# Altium PCB Carrier-Board-DAC.PcbDoc (part 1 of 2) (continued)
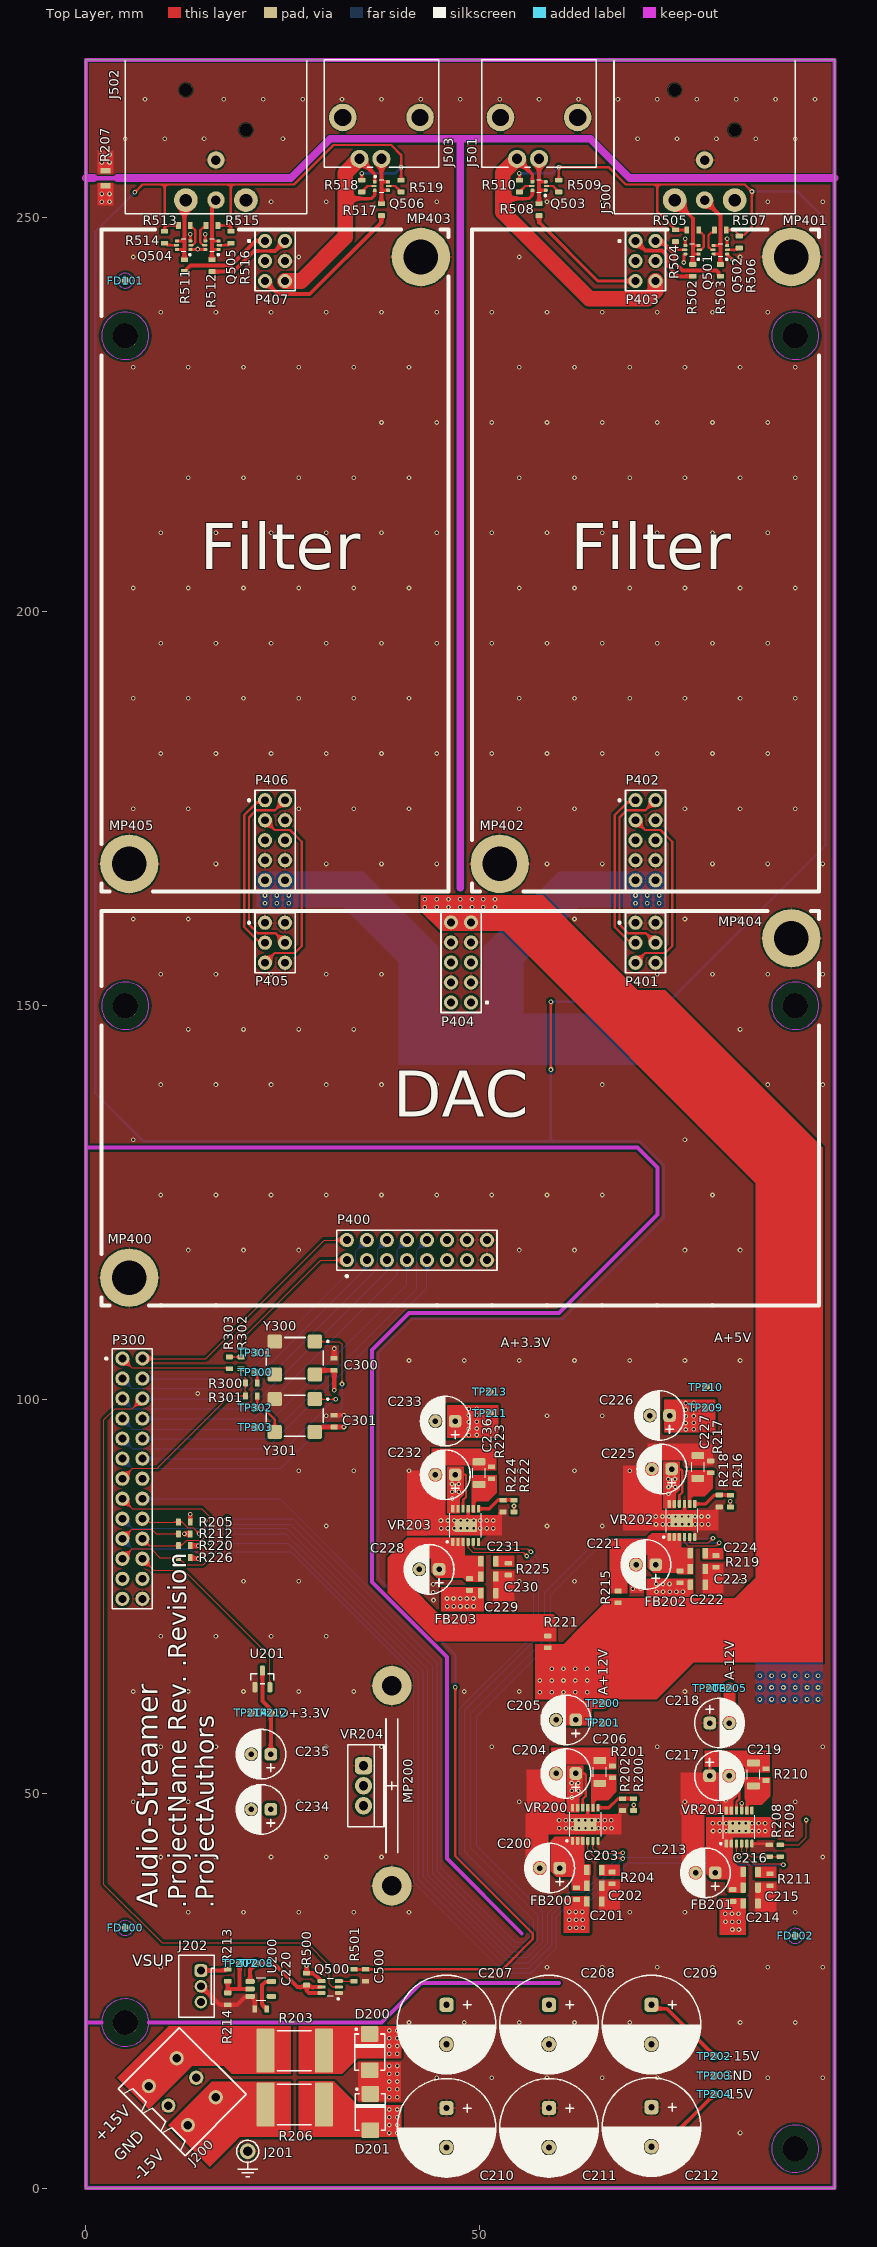
[diagram p0: Top Layer view]
## Classes and differential pairs
component class "Hardware Achitecture": FD100 FD101 FD102
component class Output: C500 J500 J501 J502 J503 Q500 Q501 Q502 Q503 Q504 Q505 Q506 R500 R501 R502 R503 R504 R505 R506 R507 R508 R509 R510 R511 R512 R513 R514 R515 R516 R517 R518 R519
component class Modules: MP400 MP401 MP402 MP403 MP404 MP405 P400 P401 P402 P403 P404 P405 P406 P407
component class DAC_Interface: C300 C301 P300 R300 R301 R302 R303 TP300 TP301 TP302 TP303 Y300 Y301
component class "Power Supply": C200 C201 C202 C203 C204 C205 C206 C207 C208 C209 C210 C211 C212 C213 C214 C215 C216 C217 C218 C219 C220 C221 C222 C223 C224 C225 C226 C227 C228 C229 C230 C231 C232 C233 C234 C235 C236 D200 D201 FB200 FB201 FB202 FB203 J200 J201 J202 MP200 R200 R201 R202 R203 R204 R205 R206 R207 R208 R209 R210 R211 R212 R213 R214 R215 R216 R217 R218 R219 R220 R221 R222 R223 R224 R225 R226 TP200 TP201 TP202 TP203 TP204 TP205 TP206 TP207 TP208 TP209 TP210 TP211 TP212 TP213 TP214 U200 U201 VR200 VR201 VR202 VR203 VR204

## Components (designator, comment, footprint, x,y, rotation, side; value= is the part's Value field where it differs from the comment)
C200 "22µF" CAP-6.3-5.5-2.5 58.85,40.6 r180 top
C201 "DNP" SMD0805CAP 64.518,36.353 r180 top
C202 "DNP" SMD0805CAP 64.518,38.353 r180 top
C203 "DNP" SMD0805CAP 64.518,40.353 r180 top
C204 "22µF" CAP-6.3-5.5-2.5 60.9,52.6 r180 top
C205 "DNP" CAP-6.3-5.5-2.5 60.9,59.4 r180 top
C206 "4.7µF" SMD1206CAP 65.2,52.8 r90 top
C207 "470µF" CAP-12.5-20-5 45.75,20.75 r270 top
C208 "470µF" CAP-12.5-20-5 58.75,20.75 r270 top
C209 "DNP" CAP-12.5-20-5 71.75,20.75 r270 top
C210 "470µF" CAP-12.5-20-5 45.75,7.65 r270 top
C211 "470µF" CAP-12.5-20-5 58.75,7.65 r270 top
C212 "DNP" CAP-12.5-20-5 71.75,7.75 r270 top
C213 "22µF" CAP-6.3-5.5-2.5 78.6,40 r180 top
C214 "DNP" SMD0805CAP 84.325,36.116 r180 top
C215 "DNP" SMD0805CAP 84.325,38.116 r180 top
C216 "DNP" SMD0805CAP 84.325,40.116 r180 top
C217 "22µF" CAP-6.3-5.5-2.5 80.375,52.316 r0 top
C218 "DNP" CAP-6.3-5.5-2.5 80.4,59 r0 top
C219 "4.7µF" SMD1206CAP 84.7,52.461 r90 top
C220 "10nF" SMD0603CAP 22.19,22.72 r0 top
C221 "22µF" CAP-6.3-5.5-2.5 71.05,79.1 r180 top
C222 "DNP" SMD0805CAP 77.641,76.55 r180 top
C223 "DNP" SMD0805CAP 77.641,78.55 r180 top
C224 "DNP" SMD0805CAP 77.641,80.55 r180 top
C225 "22µF" CAP-6.3-5.5-2.5 73.064,91.225 r180 top
C226 "DNP" CAP-6.3-5.5-2.5 72.8,98.015 r180 top
C227 "4.7µF" SMD1206CAP 77.65,91.5 r90 top
C228 "22µF" CAP-6.3-5.5-2.5 43.556,78.5 r180 top
C229 "DNP" SMD0805CAP 51.067,75.476 r180 top
C230 "DNP" SMD0805CAP 51.067,77.593 r180 top
C231 "DNP" SMD0805CAP 51.067,79.526 r180 top
C232 "22µF" CAP-6.3-5.5-2.5 45.6,90.5 r180 top
C233 "DNP" CAP-6.3-5.5-2.5 45.6,97.3 r180 top
C234 "22µF" CAP-6.3-5.5-2.5 22.225,48.045 r180 top
C235 "22µF" CAP-6.3-5.5-2.5 22.225,55.045 r180 top
C236 "4.7µF" SMD1206CAP 49.874,90.7 r90 top
C300 "10nF" SMD0603CAP 31.5,104.515 r90 top
C301 "10nF" SMD0603CAP 31.5,97.31 r90 top
C500 "DNP" SMD0603CAP 35.5,27 r270 top
D200 "20V" DO-214AA 36,17.25 r90 top
D201 "20V" DO-214AA 36.09,9.65 r90 top
FB200 "0Ω" SMD0603RES 62.268,37.353 r90 top
FB201 "0Ω" SMD0603RES 82.075,37.116 r90 top
FB202 "0Ω" SMD0603RES 75.391,77.55 r90 top
FB203 "0Ω" SMD0603RES 48.667,76.576 r90 top
FD100 "Fiducial" FIDUCIAL 5,33 r90 top
FD101 "Fiducial" FIDUCIAL 5,242 r90 top
FD102 "Fiducial" FIDUCIAL 90,32 r90 top
J200 "1861946" 1861946 11.525,16.475 r315 top
J201 "Solder Pin" SOLDER_PIN 20.528,4.667 r90 top net-tie
J202 "B3B-PH-K-S" B3B-PH-K-S 14.59,27.6 r90 top
J500 "NC3MBH" NC3MBH 78.5,270 r0 top
J501 "43-028/9" RCA-Plug 57.5,262.7 r0 top
J502 "NC3MBH" NC3MBH 16.5,270 r0 top
J503 "43-028/9" RCA-Plug 37.5,262.7 r0 top
MP200 "FA-T220-25E" FA-T220-25E 38.825,51.045 r270 top
MP400 "9774070360R" 9774070360 5.5,115.5 r0 top
MP401 "9774070360R" 9774070360 89.5,245 r0 top
MP402 "9774070360R" 9774070360 52.5,168 r0 top
MP403 "9774070360R" 9774070360 42.5,245 r0 top
MP404 "9774070360R" 9774070360 89.5,158.57 r0 top
MP405 "9774070360R" 9774070360 5.5,168 r0 top
P300 "TSW-113-6-L-D" HEADER_2X13P_VERTICAL 5.9,90 r90 top
P400 "TSW-108-07-L-D" TSW-108-06-X-D 42,119 r180 top
P401 "TSW-103-06-L-D" TSW-103-06-X-D 71,158 r90 top
P402 "TSW-105-06-L-D" TSW-105-06-X-D 71,171 r90 top
P403 "TSW-103-06-L-D" TSW-103-06-X-D 71,244.5 r90 top
P404 "TSW-105-06-L-D" TSW-105-06-X-D 47.6,155.5 r270 top
P405 "TSW-103-06-L-D" TSW-103-06-X-D 24,158 r90 top
P406 "TSW-105-06-L-D" TSW-105-06-X-D 24,171 r90 top
P407 "TSW-103-06-L-D" TSW-103-06-X-D 24,244.5 r90 top
Q500 "SQ1539EH-T1_GE3" SOT-363-6 31,25.5 r90 top
Q501 "PMBT3904VS,115" SOT-666 76.9,245.9 r90 top
Q502 "PMBT3904VS,115" SOT-666 80.5,245.9 r90 top
Q503 "PMBT3904VS,115" SOT-666 57.5,254 r90 top
Q504 "PMBT3904VS,115" SOT-666 12.4,246.5 r90 top
Q505 "PMBT3904VS,115" SOT-666 16,246.5 r90 top
Q506 "PMBT3904VS,115" SOT-666 37.5,254 r270 top
R200 "560kΩ" SMD0603RES 69.5,48.655 r270 top
R201 "121kΩ" SMD0603RES 66.8,52.8 r90 top
R202 "15kΩ" SMD0603RES 68.1,48.655 r90 top
R203 "1A" SMD2920FUSE 26.5,17.434 r0 top
R204 "DNP" SMD0603RES 66.768,39.353 r90 top
R205 "10kΩ" SMD0603RES 12.5,84.5 r0 top
R206 "1A" SMD2920FUSE 26.5,10.6 r0 top
R207 "DNP" SMD0805RES 2.5,255 r90 top
R208 "15kΩ" SMD0603RES 86.7,42.8 r270 top
R209 "560kΩ" SMD0603RES 88.1,42.8 r90 top
R210 "121kΩ" SMD0603RES 86.287,52.461 r90 top
R211 "DNP" SMD0603RES 86.8,39.116 r90 top
R212 "10kΩ" SMD0603RES 12.5,83 r0 top
R213 "1kΩ" SMD0603RES 18,27 r90 top
R214 "1kΩ" SMD0603RES 18,24 r90 top
R215 "DNP" SMD0603RES 67.536,75 r90 top
R216 "150kΩ" SMD0603RES 81.764,87.146 r270 top
R217 "49.9kΩ" SMD0603RES 79.281,91.5 r90 top
R218 "10kΩ" SMD0603RES 80.364,87.172 r90 top
R219 "DNP" SMD0603RES 79.941,79.5 r90 top
R220 "10kΩ" SMD0603RES 12.5,81.5 r0 top
R221 "DNP" SMD0603RES 58.6,69.3 r90 top
R222 "91kΩ" SMD0603RES 54.321,86.531 r270 top
R223 "33.2kΩ" SMD0603RES 51.474,90.75 r90 top
R224 "10kΩ" SMD0603RES 52.92,86.532 r90 top
R225 "DNP" SMD0603RES 53.592,78.526 r90 top
R226 "10kΩ" SMD0603RES 12.5,80 r0 top
R300 "22Ω" SMD0603RES 21,102.16 r180 top
R301 "22Ω" SMD0603RES 21,100.5 r180 top
R302 "DNP" SMD0603RES 19.7,104.7 r90 top
R303 "0Ω" SMD0603RES 18.2,104.7 r270 top
R500 "10kΩ" SMD0603RES 28,26.5 r90 top
R501 "0Ω" SMD0603RES 34,27 r270 top
R502 "47Ω" SMD0603RES 77,243.3 r270 top
R503 "47Ω" SMD0603RES 80.5,243.3 r270 top
R504 "2.2kΩ" SMD0603RES 74.8,247.7 r270 top
R505 "2.2kΩ" SMD0603RES 77,248.4 r0 top
R506 "2.2kΩ" SMD0603RES 82.9,246.9 r270 top
R507 "2.2kΩ" SMD0603RES 80.5,248.4 r180 top
R508 "47Ω" SMD0603RES 57.5,251 r270 top
R509 "2.2kΩ" SMD0603RES 60,254 r270 top
R510 "2.2kΩ" SMD0603RES 55,254 r270 top
R511 "47Ω" SMD0603RES 12.5,243.9 r270 top
R512 "47Ω" SMD0603RES 16,243.9 r270 top
R513 "2.2kΩ" SMD0603RES 12.5,249 r0 top
R514 "2.2kΩ" SMD0603RES 10,247.5 r270 top
R515 "2.2kΩ" SMD0603RES 16,249 r180 top
R516 "2.2kΩ" SMD0603RES 18.4,247.5 r270 top
R517 "47Ω" SMD0603RES 37.5,251 r270 top
R518 "2.2kΩ" SMD0603RES 35,254 r270 top
R519 "2.2kΩ" SMD0603RES 40,254 r270 top
TP200 "Testpoint" TP 65.6,61.5 r90 top
TP201 "Testpoint" TP 65.6,59.009 r90 top
TP202 "Testpoint" TP 79.75,16.75 r90 top
TP203 "Testpoint" TP 79.75,14.25 r90 top
TP204 "Testpoint" TP 79.75,11.9 r90 top
TP205 "Testpoint" TP 81.664,63.4 r90 top
TP206 "Testpoint" TP 79.15,63.4 r90 top
TP207 "Testpoint" TP 19.5,28.5 r90 top
TP208 "Testpoint" TP 21.6,28.5 r90 top
TP209 "Testpoint" TP 78.664,99.025 r0 top
TP210 "Testpoint" TP 78.664,101.625 r90 top
TP211 "Testpoint" TP 51.242,98.3 r90 top
TP212 "Testpoint" TP 23.475,60.295 r270 top
TP213 "Testpoint" TP 51.242,101.06 r90 top
TP214 "Testpoint" TP 20.975,60.295 r270 top
TP300 "Testpoint" TP 21.5,103.5 r90 top
TP301 "Testpoint" TP 21.5,106 r270 top
TP302 "Testpoint" TP 21.5,99 r270 top
TP303 "Testpoint" TP 21.5,96.5 r90 top
U200 "BD5250G-TR" SOT-23-5 22.19,25.26 r270 top
U201 "TLV810SDBZ" SOT-23 22.4,64.6 r0 top
VR200 "LT3045" MSOP12 61.736,44.048 r90 top
VR201 "LT3094" MSOP12 81.25,43.694 r90 top
VR202 "LT3045" MSOP12 74,82.595 r90 top
VR203 "LT3045" MSOP12 46.557,81.979 r90 top
VR204 "LD1086V33-DG" TO220-3 35.225,51.045 r270 top
Y300 "C3391-22.5792" OSC_CRYSTEK 26.508,105.31 r180 top
Y301 "C3391-24.576" OSC_CRYSTEK 26.5,98 r180 top

## Footprints (in the part's own frame and the unit in brackets; to place one, negate y for a bottom-side part, rotate by r counter-clockwise, add the part's x,y. Pads: shape width x height; smd on the part's side, far side on the other; paste and mask are expansions set on the pad)
1861946 [mm] "Phoenix Contacts 3 Pol"
  round 1.8 hole 1.1: 1(0,0) 1(0,-5) 2(3.5,-5) 2(3.5,0) 3(7,-5) 3(7,0)
  silkscreen extent -2.5,-8 9.5,3, body extent -2.5,-8 9.5,3, height 8
9774070360 [mm] "WE M3 SMD Spacer"
  round 7.4 / inner round 0 / far side round 0 hole 4.4 unplated: 1(0,0)
  body extent -3,-3 3,3, height 7.01
B3B-PH-K-S [mm] "JST PH plug"
  rrect50% 1.6x1.6 hole 1: 1(0,0)
  round 1.6 hole 1: 2(-2,0) 3(-4,0)
  silkscreen extent -5.95,-1.7 1.95,2.8, body extent -5.95,-1.7 1.95,2.8, height 6
CAP-6.3-5.5-2.5 [mm]
  round 1.6 hole 0.7: M(1.25,0)
  rrect50% 1.6x1.6 hole 0.7: P(-1.25,0)
  silkscreen extent -3.15,-3.15 3.15,3.15, body extent -3.15,-3.15 3.15,3.15, height 5.5
CAP-12.5-20-5 [mm]
  round 1.8 hole 0.8: M(2.5,0)
  rrect50% 1.8x1.8 hole 0.8: P(-2.5,0)
  silkscreen extent -6.25,-6.25 6.25,6.25, body extent -6.25,-6.25 6.25,6.25, height 20
DO-214AA [mm]
  rrect15% 2x2.2 smd: A(-2.3,0) C(2.3,0)
  silkscreen extent -2.3,-1.9 3,1.9, body extent -2.6,-1.9 2.6,1.9, height 2.2
FA-T220-25E [mm] "Heatsink"
  round 5 hole 2.5: 0(-12.7,0) 0(12.7,0)
  silkscreen extent -8.5,-0.75 8.5,0.75, body extent -20.8,-12.45 20.8,12.45, height 25.43
FIDUCIAL [mm]
  round 1 smd paste-1 mask+0.5: ""(0,0)
  Keep-Out Layer circle w0.1: c0,0 r0.95
HEADER_2X13P_VERTICAL [mm] "HEADER 2x13P VERTICAL"
  round 1.8 hole 1: 1(15.24,1.27) 2(15.24,-1.27) 3(12.7,1.27) 4(12.7,-1.27) 5(10.16,1.27) 6(10.16,-1.27) 7(7.62,1.27) 8(7.62,-1.27) 9(5.08,1.27) 10(5.08,-1.27) 11(2.54,1.27) 12(2.54,-1.27) 13(0,1.27) 14(0,-1.27) 15(-2.54,1.27) 16(-2.54,-1.27) 17(-5.08,1.27) 18(-5.08,-1.27) 19(-7.62,1.27) 20(-7.62,-1.27) 21(-10.16,1.27) 22(-10.16,-1.27) 23(-12.7,1.27) 24(-12.7,-1.27) 25(-15.24,1.27) 26(-15.24,-1.27)
  silkscreen extent -16.51,-2.54 16.51,3.42, body extent -16.51,-2.54 16.51,2.54, height 5.21
MSOP12 [mm]
  rrect50% 1x0.42 smd: 1(0,0) 2(0,-0.65) 3(0,-1.3) 4(0,-1.95) 5(0,-2.6) 6(0,-3.25) 7(4.211,-3.25) 8(4.211,-2.6) 9(4.211,-1.95) 10(4.211,-1.3) 11(4.211,-0.65) 12(4.211,0)
  rrect10% 1.651x2.845 smd: 13(2.105,-1.625)
  silkscreen extent -0.1,-3.62 3.61,0.8, body extent -0.35,-3.64 4.55,0.4, height 1.09
NC3MBH [mm] "XLR Connector"
  round 2.2 hole 1.2: 0(0,-12.7) 3(0,-17.78)
  round 3 hole 1.6: 1(3.81,-17.78) 2(-3.81,-17.78)
  round 1.6 hole 1.6 unplated: ""(-3.81,-3.81) ""(3.81,-8.89)
  silkscreen extent -11.5,-19.5 11.5,-0.1, body extent -12.5,-19.5 12.85,2.7, height 25.4
OSC_CRYSTEK [mm]
  rrect25% 1.8x1.8 smd: 1(-2.54,-2.095) 2(2.54,-2.095) 3(2.54,2.095) 4(-2.54,2.095)
  silkscreen extent -4.3,-2.6 3.6,2.6, body extent -3.6,-2.6 3.6,2.6, height 1.8
RCA-Plug [mm] "43-028/29 RCA Plug"
  round 3.5 hole 2.2: 0(-4.9,0) 0(4.9,0)
  round 2.3 hole 1.3: 1(0,-5.25) 2(-2.8,-5.25)
  silkscreen extent -7.25,-6.3 7.25,7.3, body extent -7.25,-6.3 7.25,27.7, height 14.65
SMD0603CAP [mm]
  rrect25% 0.6x0.9 smd: 1(-0.75,0) 2(0.75,0)
  body extent -0.75,-0.4 0.75,0.4, height 0.45
SMD0603RES [mm]
  rrect25% 0.6x0.9 smd: 1(-0.75,0) 2(0.75,0)
  body extent -0.75,-0.4 0.75,0.4, height 0.45
SMD0805CAP [mm]
  rrect25% 0.7x1.3 smd: 1(-0.95,0) 2(0.95,0)
  body extent -1,-0.6 1,0.6, height 0.9
SMD0805RES [mm]
  rrect25% 0.7x1.3 smd: 1(-0.95,0) 2(0.95,0)
  body extent -1,-0.6 1,0.6, height 0.45
SMD1206CAP [mm]
  rrect25% 0.9x1.6 smd: 1(-1.45,0) 2(1.45,0)
  silkscreen extent -0.6,-0.8 0.6,0.8, body extent -1.6,-0.8 1.6,0.8, height 1
SMD2920FUSE [mm]
  rrect10% 2.3x5.6 smd: 1(-3.7,0) 2(3.7,0)
  silkscreen extent -2.2,-2.55 2.1,2.55, body extent -3.7,-2.55 3.7,2.55, height 1.5
SOLDER_PIN [mm] "Solder Pin"
  round 2 hole 1.2: 1(0,0)
  silkscreen extent -1.4,-1.4 1.4,1.4
SOT-23 [mm]
  rrect50% 0.6x1.3 smd: 1(-0.95,-1.05) 2(0.95,-1.05) 3(0,1.05)
  silkscreen extent -1.45,-0.63 1.45,0.67, body extent -1.46,-1.27 1.46,1.27, height 0.98
SOT-23-5 [mm] "SOT-23-5"
  rrect50% 0.6x1.2 smd: 1(-0.95,-1.35) 2(0,-1.35) 3(0.95,-1.35) 4(0.95,1.35) 5(-0.95,1.35)
  silkscreen extent -1.45,-0.6 1.45,0.6, body extent -1.45,-1.4 1.45,1.4, height 1.2
SOT-363-6 [mm] "SOT-363-6"
  rrect50% 0.5x1 smd: 1(-0.75,-1.1) 3(0.75,-1.1) 4(0.75,1.1) 6(-0.75,1.1)
  rrect50% 0.4x1 smd: 2(0,-1.1) 5(0,1.1)
  silkscreen extent -1.6,-1.1 1.1,0.4, body extent -1.1,-1.2 1.1,1.2, height 1.1
SOT-666 [mm] "SOT-666"
  rrect50% 0.4x0.5 smd: 1(-0.537,-0.85) 3(0.537,-0.85) 4(0.537,0.85) 6(-0.537,0.85)
  rrect50% 0.3x0.65 smd: 2(0,-0.925) 5(0,0.925)
  silkscreen extent -1.3,-0.9 0.8,0.3, body extent -0.8,-0.8 0.8,0.8, height 0.6
TO220-3 [mm]
  rrect50% 2.2x2.2 hole 1.2: 1(-2.54,0)
  round 2.2 hole 1.2: 2(0,0) 3(2.54,0)
  silkscreen extent -5.2,-2 5.2,2.6, body extent -5.94,-1.75 5.94,2.65, height 19.11
TP [mm]
  round 1 smd paste-1: 1(0,0)
TSW-103-06-X-D [mm] "Samtec TSW 6P"
  round 1.8 hole 1: 1(2.54,1.27) 2(2.54,-1.27) 3(0,1.27) 4(0,-1.27) 5(-2.54,1.27) 6(-2.54,-1.27)
  silkscreen extent -3.81,-2.54 3.81,3.42, body extent -3.81,-2.54 3.81,2.54, height 5.21
TSW-105-06-X-D [mm] "Samtec TSW 10P"
  round 1.8 hole 1: 1(5.08,1.27) 2(5.08,-1.27) 3(2.54,1.27) 4(2.54,-1.27) 5(0,1.27) 6(0,-1.27) 7(-2.54,1.27) 8(-2.54,-1.27) 9(-5.08,1.27) 10(-5.08,-1.27)
  silkscreen extent -6.35,-2.54 6.35,3.42, body extent -6.35,-2.54 6.35,2.54, height 5.21
TSW-108-06-X-D [mm] "Samtec TSW 16P"
  round 1.8 hole 1: 1(8.89,1.27) 2(8.89,-1.27) 3(6.35,1.27) 4(6.35,-1.27) 5(3.81,1.27) 6(3.81,-1.27) 7(1.27,1.27) 8(1.27,-1.27) 9(-1.27,1.27) 10(-1.27,-1.27) 11(-3.81,1.27) 12(-3.81,-1.27) 13(-6.35,1.27) 14(-6.35,-1.27) 15(-8.89,1.27) 16(-8.89,-1.27)
  silkscreen extent -10.16,-2.54 10.16,3.42, body extent -10.16,-2.54 10.16,2.54, height 5.21

## Part data
C200 C204 C205 C213 C217 C218 C221 C225 C226 C228 C232 C233 C234 C235: library part "Capacitor Electrolytic", "Elektrolytic Capacitor", Manufacturer Part No.=32SEPF22M, Voltage=32V
C201 C202 C203 C206 C214 C215 C216 C219 C220 C222 C223 C224 C227 C229 C230 C231 C236: library part "Capacitor Ceramic", "Ceramic Capacitor", Voltage=25V
C207 C208 C209 C210 C211 C212: library part "Capacitor Electrolytic", "Elektrolytic Capacitor", Manufacturer Part No.=EEU-FR1H471, Voltage=50V
C300 C301 C500: library part "Capacitor Ceramic", "Ceramic Capacitor"
D200 D201: library part "Diode Zener", "Zener Diode", Manufacturer Part No.=SMBJ5357B-TP
FB200 FB201 FB202 FB203: library part "Ferrite Bead", "Ferrite Bead"
FD100 FD101 FD102: "Fiducial Marker"
J200: "Screw Terminal, 3 Position", Manufacturer Part No.=1861946, System=Connector
J202: library part "Connector 3x1P", "Connector 3x1P", Manufacturer Part No.=B3B-PH-K-S, System=Connector
J500 J502: library part "Connector XLR", "XLR Connector Male, Panel Mount", Manufacturer Part No.=NC3MBH, System=Connector
J501 J503: library part "Connector RCA", "RCA Connector", System=Connector
MP200: library part Heatsink, "Heatsink", Manufacturer Part No.=FA-T220-25E
MP400 MP401 MP402 MP403 MP404 MP405: library part "Spacer M3 SMD Net", "Spacer M3 SMD", Manufacturer Part No.=9774070360R
P300: library part "Header 13x2P", "Header 13x2P", Manufacturer Part No.=TSW-113-6-L-D
P400: library part "Header 8x2P", "Header 8x2P", Manufacturer Part No.=TSW-108-07-L-D
P401 P403 P405 P407: library part "Header 3x2P", "Header 13x2P", Manufacturer Part No.=TSW-103-06-L-D
P402 P404 P406: library part "Header 5x2P", "Header 5x2P", Manufacturer Part No.=TSW-105-06-L-D
Q500: library part "Transistor N/PMOS Dual", "Transistor Dual, NMOS & PMOS", Manufacturer Part No.=SQ1539EH-T1_GE3
Q501 Q502 Q503 Q504 Q505 Q506: library part "Transistor Bipolar Dual", "Transistor Bipolar Dual", Manufacturer Part No.=PMBT3904VS,115
R200 R201 R202 R204 R205 R207 R208 R209 R210 R211 R212 R213 R214 R215 R216 R217 R218 R219 R220 R221 R222 R223 R224 R225 R226 R300 R301 R302 R303 R500 R501 R504 R505 R506 R507 R509 R510 R513 R514 R515 R516 R518 R519: library part Resistor, "Resistor"
R203 R206: library part Polyfuse, "Polyfuse", Manufacturer Part No.=0ZCF0100AF2A
R502 R503 R508 R511 R512 R517: library part Resistor, "Resistor Thin Film", Manufacturer Part No.=TNPW060347R0BEEA
U200: library part "Voltage Supervisor 5V", "Voltage Supervisor, Threshold 5V", Manufacturer Part No.=BD5250G-TR
U201: library part "Voltage Supervisor", "Voltage Supervisor, Threshold 2.94V", Manufacturer Part No.=TLV810SDBZR
VR200 VR202 VR203: "Linear Regulator, positive Rail, Low Noise, High PSRR", Manufacturer Part No.=LT3045EMSE#PBF
VR201: "Linear Regulator, negative Rail Low Noise, High PSRR", Manufacturer Part No.=LT3094EMSE#PBF
VR204: "Linear Voltage Regulator, positive Rail", Manufacturer Part No.=LD1086V33-DG
Y300: library part "Oscillator Crystek", "HCMOS Oscillator", Frequency=22.5792MHz, Manufacturer Part No.=C3391-22.5792
Y301: library part "Oscillator Crystek", "HCMOS Oscillator", Frequency=24.5760MHz, Manufacturer Part No.=C3391-24.576

## Free pads (board coordinates)
  round 3.2 hole 3.2 unplated mask+1.5: ""(5,21) ""(5,150) ""(5,235) ""(90,235) ""(90,5) ""(90,150)

## Via types
v1: diameter 0.6, hole 0.3, Top Layer to Bottom Layer, tented both sides, 433 vias
v2: diameter 0.6, hole 0.3, Top Layer to Bottom Layer, 170 vias

## Nets (pads, with @x,y where several pads share a name; then routed paths per layer and width w, separated by ;. In a path a pad name is that pad's centre, name@x,y a point inside that pad or via, vN(x,y) a via of type N, cw(c..) or ccw(c..) an arc to the next point about the centre after c; other vN are vias at no path point)
+15V: C201.2 C207.P C208.P C209.P C222.2 C229.2 C234.P D200.C FB200.1 FB202.1 FB203.1 Q500.4 R203.2 R500.2 TP202.1 VR204.3 | length 13.9
  Top Layer w0.5: v1(28,28.2) R500.2@28,27.25 28.9,27.25 29.65,26.5 29.65,26.25 Q500.4@29.9,26.25 ; C209.P@71.75,22.75 73.75,22.75 TP202.1@79.75,16.75
  other v1: 38.5,17.025 39.5,17.025 38.5,18.025 39.5,18.025 38.5,19.025 39.5,19.025 38.5,20 39.5,20
  other v2: 61.393,33.037 62.218,33.037 63.043,33.037 61.343,34.037 62.193,34.037 63.018,34.037 61.318,35.037 62.168,35.037 62.993,35.037 45.842,73.796 46.667,73.796 47.517,73.796 48.367,73.796 49.192,73.796 45.817,74.796 46.642,74.796 47.492,74.796 48.342,74.796 49.167,74.796 72.4,75.65 73.225,75.65 74.075,75.65 74.925,75.65 75.75,75.65 72.375,76.65 73.2,76.65 74.05,76.65
-15V: C210.M C211.M C212.M C214.2 D201.A FB201.1 R206.2 TP204.1 | length 10.8
  Top Layer w0.5: C212.M@71.75,5.25 73.1,5.25 TP204.1@79.75,11.9
  other v1: 38.5,7 39.5,7 38.5,8 39.5,8 38.5,9 39.5,9 38.5,9.975 39.5,9.975
  other v2: 82.025,32.8 82.85,32.8 81.15,33.8 82,33.8 82.825,33.8 81.125,34.8 81.975,34.8 82.8,34.8
A+3.3V: C232.P C233.P P404.1 P404.2 R222.2 TP211.1 VR203.10 VR203.11 VR203.12 | length 6.4
  Top Layer w0.15: R222.2@54.321,85.837 v1(54.321,86.531)
  Top Layer w0.3: C232.P@46.971,90.532 48.082,90.532 48.221,90.393 48.221,87.652 47.857,87.288 VR203.10@47.857,86.19
  other v1: 46.471,87.482 46.471,88.332 47.321,88.332 46.446,89.332 47.296,89.332
  other v2: 48.592,95.515 49.592,95.54 48.592,96.34 49.592,96.365 48.592,97.19 49.592,97.215 48.592,98.04 49.592,98.065 48.592,98.865 49.592,98.89
A+5V: C225.P C226.P P404.5 P404.6 R216.2 TP209.1 VR202.10 VR202.11 VR202.12 | length 6.4
  Top Layer w0.15: R216.2@81.764,86.452 v1(81.764,87.146)
  Top Layer w0.3: C225.P@74.414,91.147 75.525,91.147 75.664,91.008 75.664,88.267 75.3,87.903 VR202.10@75.3,86.806
  other v1: 73.914,88.097 73.914,88.947 74.764,88.947 73.889,89.947 74.739,89.947
  other v2: 76.114,96.24 77.114,96.265 76.114,97.065 77.114,97.09 76.114,97.915 77.114,97.94 76.114,98.765 77.114,98.79 76.114,99.59 77.114,99.615
A+12V: C204.P C205.P P402.5 P402.6 P404.9 P404.10 P406.5 P406.6 R200.2 R215.1 R221.1 TP200.1 VR200.10 VR200.11 VR200.12 | length 9.4
  Top Layer w0.15: R200.2@69.5,47.905 v1(69.5,48.6)
  Top Layer w0.3: C204.P@62.15,52.6 63.261,52.6 63.4,52.461 63.4,49.72 63.036,49.356 VR200.10@63.036,48.259
  Top Layer w1.5: 62.561,61.6 62.661,61.5 TP200.1@65.6,61.5
  other v1: 61.65,49.55 61.65,50.4 62.5,50.4 61.625,51.4 62.475,51.4 43,162.5 44.5,162.5 46,162.5 47.5,162.5 49,162.5 50.4,162.5 51.9,162.5 43,163.5 44.5,163.5 46,163.5 47.5,163.5 49,163.5 50.4,163.5 51.9,163.5
  other v2: 57.6,62.9 59.1,62.9 60.6,62.9 62.1,62.9 63.6,62.9 57.6,64.4 59.1,64.4 60.6,64.4 62.1,64.4 63.6,64.4 59.1,65.9 60.6,65.9 62.1,65.9 63.6,65.9
A-12V: C217.M C218.M P402.9 P402.10 P406.9 P406.10 R209.2 TP205.1 VR201.10 VR201.11 VR201.12 | length 16.3
  Top Layer w0.15: C217.M@81.409,52.532 C217.M@81.625,52.316 ; R209.2@88.1,43.55 90.45,43.55 91.4,44.5 v1(91.4,46.7)
  Top Layer w0.3: C217.M@81.664,52.247 82.775,52.247 82.914,52.108 82.914,49.367 82.55,49.003 VR201.10@82.55,47.905
  Top Layer w1.5: C218.M@81.65,59 TP205.1@81.65,63.4
  other v1: 81.164,49.197 81.164,50.047 82.014,50.047 81.139,51.047 81.989,51.047 22.73,163 24.23,163 25.73,163 69.73,163 71.23,163 72.73,163 22.73,164 24.23,164 25.73,164 69.73,164 71.23,164 72.73,164
  other v2: 85.5,62 87,62 88.5,62 90,62 91.5,62 92.9,62 85.5,63.5 87,63.5 88.5,63.5 90,63.5 91.5,63.5 92.9,63.5 85.5,65 87,65 88.5,65 90,65 91.5,65 92.9,65
AGND: C200.M C201.1 C202.1 C204.M C205.M C206.2 C207.M C208.M C209.M C210.P C211.P C212.P C213.M C214.1 C215.1 C217.P C218.P C219.2 C220.1 C221.M C222.1 C223.1 C225.M C226.M C227.2 C228.M C229.1 C230.1 C232.M C233.M C234.M C235.M C236.2 C300.2 C301.2 C500.2 D200.A D201.C J200.2 J201.1 J202.2 MP200.0 MP400.1 MP401.1 MP402.1 MP403.1 MP404.1 MP405.1 P300.26 P400.14 P400.15 P400.16 P401.1 P401.2 P401.6 P402.4 P402.7 P402.8 P403.4 P404.3 P404.4 P404.7 P404.8 P405.1 P405.2 P405.6 P406.4 P406.7 P406.8 P407.4 Q500.1 R201.2 R202.1 R204.1 R207.1 R208.1 R210.2 R211.1 R214.1 R217.2 R218.1 R219.1 R223.2 R224.1 R225.1 TP201.1 TP203.1 TP206.1 TP210.1 TP213.1 TP214.1 TP301.1 TP303.1 U200.3 U201.1 VR200.6 VR200.9 VR200.13 VR201.6 VR201.9 VR202.6 VR202.9 VR202.13 VR203.6 VR203.9 VR203.13 VR204.1 Y300.2 Y301.2 | length 37.3
  Top Layer w0.15: v2(66.661,46.653) 66.874,46.653 67.599,47.378 67.599,47.59 67.688,47.68 67.875,47.68 R202.1@68.1,47.905
  Top Layer w0.3: 44.421,92.732 44.471,92.682 C232.M@44.471,90.532 ; v2(51.672,84.692) v2@51.872,84.892 ; 59.6,54.8 59.65,54.75 C204.M@59.65,52.6 ; 71.864,93.347 71.914,93.297 C225.M@71.914,91.147 ; v2(78.925,85.2) v2@79.125,85.4 ; 79.114,54.447 79.164,54.397 C217.P@79.164,52.247 ; VR201.9@83.2,47.905 v1(83.2,48.8) v1@83.257,48.857 ; VR201.6@84.5,43.694 86.556,43.694 R208.1@86.7,43.55
  Top Layer w0.4: VR203.13@48.486,84.278 VR203.13@48.486,84.692 ; VR203.13@48.507,84.823 VR203.9@48.507,86.19 ; VR200.13@63.361,46.153 63.686,46.478 VR200.9@63.686,48.259 ; VR202.13@75.625,84.7 75.95,85.025 VR202.9@75.95,86.806
  Top Layer w0.5: J202.2@14.59,25.6 16.927,23.263 17.987,23.263 R214.1@18,23.25 19.18,23.25 20.19,24.26 20.79,24.26 U200.3@20.84,24.31 21.14,24.31 21.19,24.26 21.19,23.96 21.44,23.71 C220.1@21.44,22.72 ; v2(51.672,84.692) 52.114,84.692 52.557,85.135 52.557,85.568 52.77,85.782 R224.1@52.92,85.782 ; v2(78.925,85.2) 79.125,85.2 79.45,85.2 80,85.75 80,86.058 80.164,86.222 80.164,86.372 80.214,86.422 R218.1@80.364,86.422
  Top Layer w0.6: C301.2@31.5,98.06 v1(32.74,98.06) ; C300.2@31.5,105.265 v1(31.5,106.505)
  other v1: 6,7 41,7 48,7 55,7 62,7 69,7 83,7 38.5,11.525 39.5,11.525 38.5,12.525 39.5,12.525 38.5,13.525 39.5,13.525 44.5,14 51.5,14 58.5,14 65.5,14 72.5,14 86.5,14 93.5,14 38.5,14.5 39.5,14.5 38.5,15.5 39.5,15.5 41,21 48,21 55,21 62,21 69,21 83,21 90,21 9.5,28 58.5,28 65.5,28 72.5,28 79.5,28 86.5,28 93.5,28 13,35 20,35 27,35 34,35 41,35 69,35 76,35 90,35 9.5,42 16.5,42 23.5,42 30.5,42 37.5,42 93.5,42 6,49 13,49 20,49 27,49 55,49 76,49 90,49 9.5,56 16.5,56 30.5,56 37.5,56 51.5,56 72.5,56 93.5,56 6,63 13,63 20,63 27,63 34,63 48,63 55,63 76,63 9.5,70 16.5,70 23.5,70 30.5,70 20,77 27,77 55,77 62,77 83,77 30.5,84 58.5,84 65.5,84 27,91 34,91 41,91 55,91 62,91 69,91 83,91 30.5,98 58.5,98 65.5,98 14.2,100.8 41,105 48,105 55,105 62,105 69,105 76,105 83,105 9.5,112 16.5,112 44.5,112 51.5,112 58.5,112 65.5,112 72.5,112 79.5,112 13,119 20,119 27,119 55,119 62,119 76,119 83,119 9.5,126 16.5,126 23.5,126 30.5,126 37.5,126 44.5,126 51.5,126 58.5,126 65.5,126 79.5,126 6,133 76,133 9.5,140 16.5,140 23.5,140 30.5,140 37.5,140 44.5,140 51.5,140 65.5,140 86.5,140 93.5,140 13,147 20,147 27,147 34,147 83,147 9.5,154 16.5,154 23.5,154 30.5,154 37.5,154 72.5,154 79.5,154 86.5,154 93.5,154 6,161 13,161 62,161 76,161 83,161 16.5,168 30.5,168 37.5,168 44.5,168 58.5,168 65.5,168 79.5,168 86.5,168 93.5,168 6,175 13,175 27,175 34,175 41,175 55,175 62,175 76,175 83,175 90,175 9.5,182 16.5,182 23.5,182 30.5,182 37.5,182 44.5,182 51.5,182 58.5,182 65.5,182 72.5,182 79.5,182 86.5,182 6,189 13,189 20,189 27,189 34,189 41,189 55,189 62,189 69,189 76,189 83,189 90,189 9.5,196 16.5,196 23.5,196 30.5,196 37.5,196 44.5,196 51.5,196 58.5,196 65.5,196 72.5,196 79.5,196 86.5,196 6,203 13,203 20,203 27,203 34,203 41,203 55,203 62,203 69,203 76,203 83,203 90,203 9.5,210 16.5,210 23.5,210 30.5,210 37.5,210 44.5,210 51.5,210 58.5,210 65.5,210 72.5,210 79.5,210 86.5,210 13,217 20,217 27,217 34,217 41,217 55,217 62,217 69,217 76,217 83,217 90,217 37.5,224 44.5,224 51.5,224 58.5,224 65.5,224 72.5,224 79.5,224 86.5,224 6,231 13,231 20,231 27,231 34,231 41,231 55,231 62,231 69,231 76,231 83,231 90,231 9.5,238 16.5,238 23.5,238 30.5,238 37.5,238 44.5,238 51.5,238 58.5,238 65.5,238 72.5,238 79.5,238 86.5,238 6,245 27,245 55,245 83,245 2,252 3,252 23.5,252 30.5,252 44.5,252 58.5,252 65.5,252 86.5,252 93.5,252 2,253 3,253
  other v2: 60.061,45.653 60.911,45.653 61.736,45.653 62.561,45.653 63.386,45.653 64.211,45.653 65.036,45.653 65.861,45.653 66.686,45.653 60.036,46.653 60.886,46.653 61.711,46.653 62.536,46.653 63.361,46.653 64.186,46.653 65.011,46.653 65.836,46.653 44.105,74.6 43.255,75.6 44.08,75.6 69.4,76.025 70.4,76.05 43.23,76.6 44.055,76.6 69.4,76.85 70.4,76.875 69.4,77.675 70.4,77.7 45.072,83.692 45.922,83.692 46.747,83.692 47.572,83.692 48.397,83.692 49.222,83.692 50.047,83.692 50.872,83.692 51.697,83.692 72.325,84.2 73.175,84.2 74,84.2 74.825,84.2 75.65,84.2 76.475,84.2 77.3,84.2 78.125,84.2 78.95,84.2 45.047,84.692 45.897,84.692 46.722,84.692 47.547,84.692 48.372,84.692 49.197,84.692 50.022,84.692 50.847,84.692 72.3,85.2 73.15,85.2 73.975,85.2 74.8,85.2 75.625,85.2 76.45,85.2 77.275,85.2 78.1,85.2
CH1_BIAS: P401.5 P402.3 | length 24.6
  Top Layer w0.3: P401.5@69.73,155.46 70.97,156.7 73.5,156.7 74.4,157.6 74.4,170.8 72.9,172.3 70.97,172.3 P402.3@69.73,173.54
CH1_N: P401.4 P402.2 | length 24.6
  Top Layer w0.3: P401.4@72.27,158 71.07,159.2 68.8,159.2 67.7,160.3 67.7,173.9 68.6,174.8 70.99,174.8 P402.2@72.27,176.08
CH1_P: P401.3 P402.1 | length 21.1
  Top Layer w0.3: P401.3@69.73,158 69.443,158.287 68.813,158.287 67.1,160 67.1,174.2 68.7,175.8 69.45,175.8 P402.1@69.73,176.08
CH2_BIAS: P405.5 P406.3 | length 24.6
  Top Layer w0.3: P405.5@22.73,155.46 23.97,156.7 26.5,156.7 27.4,157.6 27.4,170.8 25.9,172.3 23.97,172.3 P406.3@22.73,173.54
CH2_N: P405.4 P406.2 | length 24.6
  Top Layer w0.3: P405.4@25.27,158 24.07,159.2 21.8,159.2 20.7,160.3 20.7,173.9 21.6,174.8 23.99,174.8 P406.2@25.27,176.08
CH2_P: P405.3 P406.1 | length 21.1
  Top Layer w0.3: P405.3@22.73,158 22.443,158.287 21.813,158.287 20.1,160 20.1,174.2 21.7,175.8 22.45,175.8 P406.1@22.73,176.08
CHGND: J500.0 J502.0 R207.2
  other v1: 2,257 3,257 2,258 3,258 5,260 10,260 15,260 25,260 70,260 75,260 80,260 85,260 90,260 7.5,265 17.5,265 22.5,265 27.5,265 32.5,265 37.5,265 42.5,265 47.5,265 52.5,265 57.5,265 62.5,265 67.5,265 72.5,265 77.5,265 82.5,265 87.5,265 92.5,265